# Altium PCB EMG.PcbDoc
Units mm, origin at the board's own origin, x right, y up, seen from the top; angles counter-clockwise.
Board outline 80 x 60 mm, 2 copper layers (Top Layer, Bottom Layer); 41 components, 27 nets, 146 pads, 27 vias.
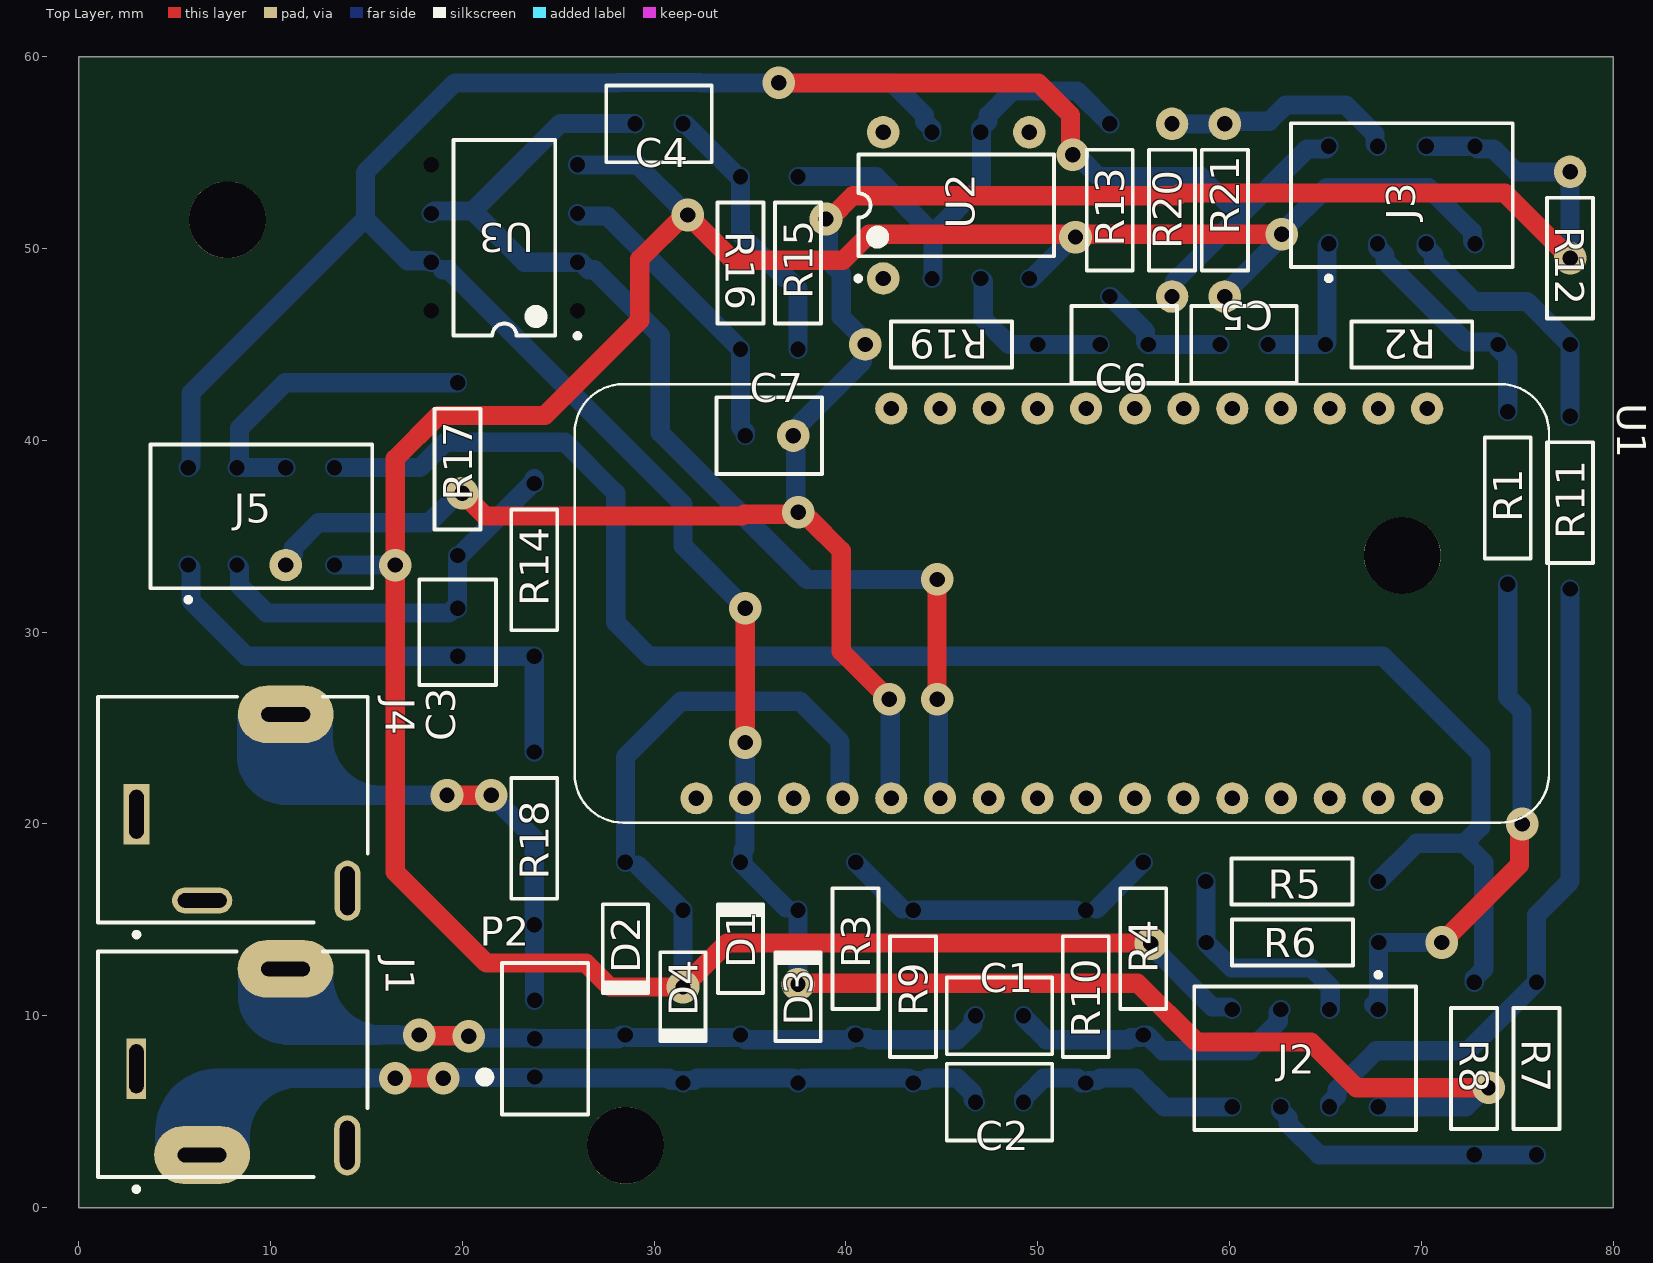
[diagram p0: Top Layer view]
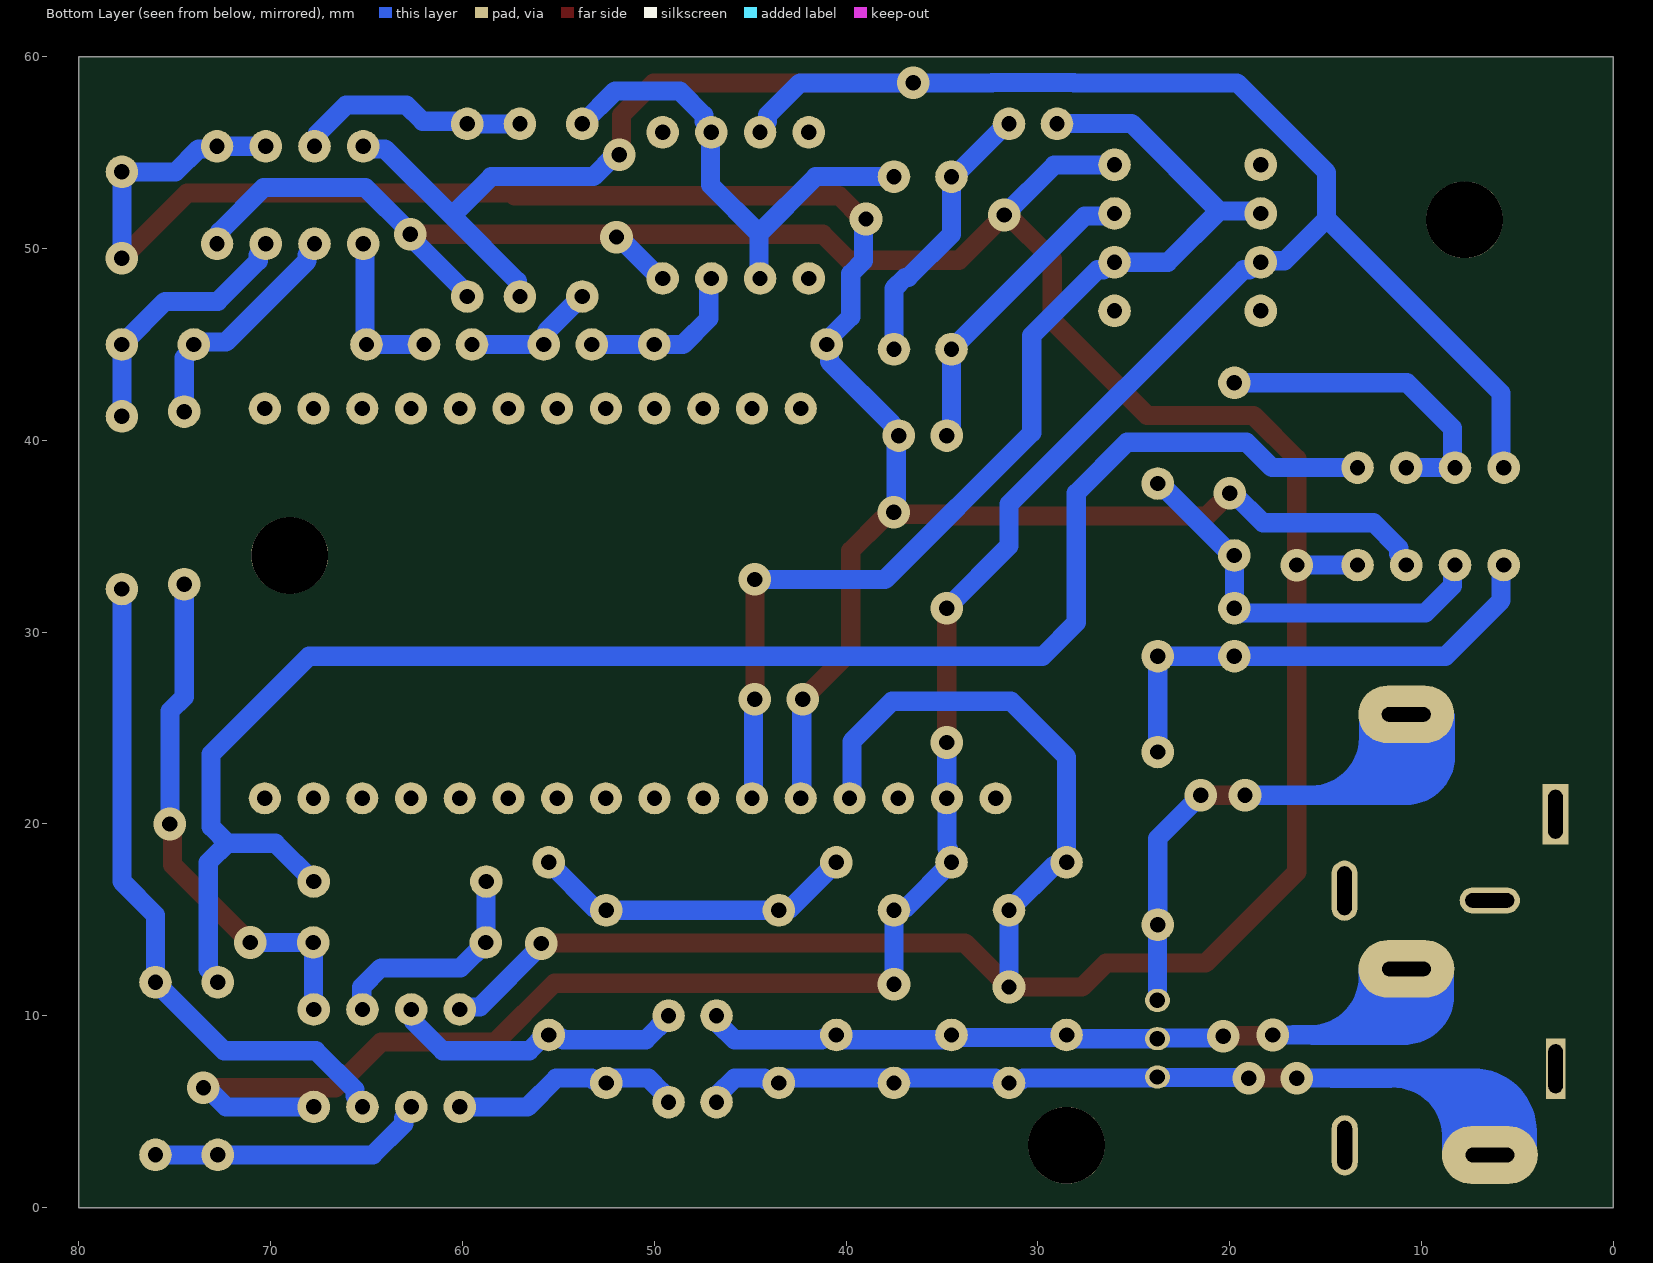
[diagram p1: Bottom Layer view, seen from below]

## Layer stack, top to bottom
Top Solder: solder mask 0.0102, Solder Resist, Dk 3.5
Top Layer: signal copper 0.0356
Dielectric 1: dielectric 0.32, FR-4, Dk 4.8
Bottom Layer: signal copper 0.0356
Bottom Solder: solder mask 0.0102, Solder Resist, Dk 3.5

## Board outline
0,0 0,60 80,60 80,0

## Design rules (kind name [scope] priority, off if disabled: settings)
Clearance [All] p1: gap=0.8 ignorepadtopadclearanceinfootprint=FALSE
HoleSize [All] p1: absolutevalues=TRUE maxlimit=2.54 minlimit=0.8 maxpercent=80.000 minpercent=20.000
PolygonConnect [All] p1: connectstyle=Relief reliefconductorwidth=0.254 reliefentries=4 polygonreliefangle="90 Angle" airgapwidth=0.254
RoutingVias [All] p1: holewidth=0.8 width=1.7 viastyle="Through Hole" minholewidth=0.8 minwidth=1.27 maxholewidth=2 maxwidth=1.7
SolderMaskExpansion [All] p1: expansion=0.102 istentingtop=FALSE
SupplyNets "Schematic Supply Nets" [InNet('GND')] p1: voltage=0.000
Width [All] p1: maxlimit=5 minlimit=1 preferedwidth=1
29 further rules are at their usual default settings.

## Components (designator, comment, footprint, x,y, rotation, side; value= is the part's Value field where it differs from the comment)
C1 "3.3U" FP-RCE3DB-MFG#1 48,10 r0 top
C2 "3.3U" FP-RCE3DB-MFG#1 48,5.5 r0 top
C3 "1n" FP-RCE3DB-MFG#1 19.75,30 r90 top
C4 "470n" FP-RCE3DB-MFG#1 30.25,56.5 r180 top
C5 "3.3U" FP-RCE3DB-MFG#1 60.75,45 r180 top
C6 "1U" FP-RCE3DB-MFG#1 54.5,45 r180 top
C7 "100n" FP-RCE3DB-MFG#2 36,40.25 r180 top
D1 "1N4001-T" DIOD-DO-41-P-2_V#1 34.5,13.5 r90 top
D2 "1N4001-T" DIOD-DO-41-P-2_V#1 28.5,13.5 r270 top
D3 "1N4001-T" DIOD-DO-41-P-2_V#2 37.5,11 r90 top
D4 "1N4001-T" DIOD-DO-41-P-2_V#1 31.5,11 r270 top
J1 "35RAPC3BH3" FP-35RAPC3BH3-MFG#1 6.24,7.479 r0 top
J2 "08-2511-10" FP-08-2511-10-MFG#1 63.94,7.79 r270 top
J3 "08-2511-10" FP-08-2511-10-MFG#1 68.98,52.79 r90 top
J4 "35RAPC3BH3" FP-35RAPC3BH3-MFG#2 6.25,20.75 r0 top
J5 "08-2511-10" FP-08-2511-10-MFG#2 9.52,36.04 r90 top
P2 "Solder" JST-B3B-PH-K-S-3_V 24.314,8.806 r90 top
R1 "25K" RESA60-630X240#1 74.5,37 r270 top
R2 "25K" RESA60-630X240#1 69.5,45 r0 top
R3 "5K" RESA60-630X240#1 40.5,13.5 r270 top
R4 "5K" RESA60-630X240#1 55.5,13.5 r270 top
R5 "250" RESA60-630X240#1 63.25,17 r0 top
R6 "25K" RESA60-630X240#1 63.275,13.825 r180 top
R7 "25K" RESA60-630X240#1 76,7.25 r270 top
R8 "250" RESA60-630X240#1 72.75,7.25 r270 top
R9 "5K" RESA60-630X240#1 43.5,11 r90 top
R10 "5K" RESA60-630X240#1 52.5,11 r90 top
R11 "25K" RESA60-630X240#1 77.75,36.75 r270 top
R12 "25K" RESA60-630X240#2 77.75,49.5 r270 top
R13 "1.5K" RESA60-630X240#1 53.75,52 r270 top
R14 "1K" RESA60-630X240#1 23.75,33.25 r270 top
R15 "1.5K" RESA60-630X240#1 37.5,49.25 r90 top
R16 "4.7K" RESA60-630X240#1 34.5,49.25 r90 top
R17 "1K" RESA60-630X240#1 19.75,38.5 r270 top
R18 "1M" RESA60-630X240#1 23.75,19.25 r270 top
R19 "6.8K" RESA60-630X240#3 45.5,45 r180 top
R20 "100K" RESA60-630X240#4 57,52 r270 top
R21 "100K" RESA60-630X240#4 59.75,52 r90 top
U1 "FEATHER_M0_BASIC_PROTO" MODULE_FEATHER_M0_BASIC_PROTO 51.25,31.5 r0 top
U2 "LM741CN/NOPB" P0008A#1 45.75,52.25 r90 top
U3 "LM741CN/NOPB" P0008A#2 22.19,50.56 r180 top

## Footprints (in the part's own frame and the unit in brackets; to place one, negate y for a bottom-side part, rotate by r counter-clockwise, add the part's x,y. Pads: shape width x height; smd on the part's side, far side on the other; paste and mask are expansions set on the pad)
DIOD-DO-41-P-2_V#1 [mm] "2-Leads, Axial Lead, Body 4.635x2.36mm, Pin Spacing 9mm"
  round 0 / inner rect 1.65x1.65 / far side round 1.7 hole 0.8: 1(-4.5,0)
  round 0 / inner round 1.65 / far side round 1.7 hole 0.8: 2(4.5,0)
  silkscreen extent -2.32,-1.18 2.32,1.18, body extent -4.93,-1.18 4.93,1.18, height 2.35
DIOD-DO-41-P-2_V#2 [mm] "2-Leads, Axial Lead, Body 4.635x2.36mm, Pin Spacing 9mm"
  round 0 / inner rect 1.65x1.65 / far side round 1.7 hole 0.8: 1(-4.5,0)
  round 0 / inner round 0 / far side round 1.7 hole 0.8: 2(4.5,0)
  silkscreen extent -2.32,-1.18 2.32,1.18, body extent -4.93,-1.18 4.93,1.18, height 2.35
FP-08-2511-10-MFG#1 [mm]
  round 0 / inner rect 1.39x1.39 / far side round 1.7 hole 0.8 paste-2539.97 mask+0: 1(-2.54,3.81)
  round 0 / inner round 1.39 / far side round 1.7 hole 0.8 paste-2539.97 mask+0: 2(-2.54,1.27) 3(-2.54,-1.27) 4(-2.54,-3.81) 5(2.54,-3.81) 6(2.54,-1.27) 7(2.54,1.27) 8(2.54,3.81)
  silkscreen extent -4.47,-5.78 3.75,5.78, body extent -3.85,-5.88 3.85,5.88, height 0.25
FP-08-2511-10-MFG#2 [mm]
  round 0 / inner rect 1.39x1.39 / far side round 1.7 hole 0.8 paste-2539.97 mask+0: 1(-2.54,3.81)
  round 0 / inner round 1.39 / far side round 1.7 hole 0.8 paste-2539.97 mask+0: 2(-2.54,1.27) 4(-2.54,-3.81) 5(2.54,-3.81) 6(2.54,-1.27) 7(2.54,1.27) 8(2.54,3.81)
  round 1.7 / inner rect 1.2x1.2 / far side round 1.7 hole 0.8 paste-2539.97 mask+0: 3(-2.54,-1.27)
  silkscreen extent -4.47,-5.78 3.75,5.78, body extent -3.85,-5.88 3.85,5.88, height 0.25
FP-35RAPC3BH3-MFG#1 [mm]
  rect 1x3.14 hole 2.54 slot 0.762 at 0 deg paste-2539.97 mask+0: 1(-3.238,-0.241)
  rrect100% 5x3 hole 2.54 slot 0.762 at 90 deg paste-2539.97 mask+0: 2(4.541,4.966) 5(0.187,-4.735)
  rrect100% 1.362x3.14 hole 2.54 slot 0.762 at 0 deg paste-2539.97 mask+0: 4(7.76,-4.229)
  silkscreen extent -5.25,-6.64 8.81,5.88, body extent -8.91,-5.98 8.91,5.98, height 0.25
FP-35RAPC3BH3-MFG#2 [mm]
  rect 1.362x3.14 hole 2.54 slot 0.762 at 0 deg paste-2539.97 mask+0: 1(-3.238,-0.241)
  rrect100% 5x3 hole 2.54 slot 0.762 at 90 deg paste-2539.97 mask+0: 2(4.541,4.966)
  rrect100% 1.362x3.14 hole 2.54 slot 0.762 at 0 deg paste-2539.97 mask+0: 4(7.76,-4.229)
  rrect100% 3.14x1.362 hole 2.54 slot 0.762 at 90 deg paste-2539.97 mask+0: 5(0.187,-4.735)
  silkscreen extent -5.25,-6.64 8.81,5.88, body extent -8.91,-5.98 8.91,5.98, height 0.25
FP-RCE3DB-MFG#1 [mm]
  round 0 / inner rect 1.2x1.2 / far side round 1.7 hole 0.8 paste-2539.97 mask+0: 1(-1.25,0)
  round 0 / inner round 1.2 / far side round 1.7 hole 0.8 paste-2539.97 mask+0: 2(1.25,0)
  silkscreen extent -2.75,-2 2.75,2, body extent -2.85,-2.1 2.85,2.1, height 0.25
FP-RCE3DB-MFG#2 [mm]
  round 1.7 / inner rect 1.2x1.2 / far side round 1.7 hole 0.8 paste-2539.97 mask+0: 1(-1.25,0)
  round 0 / inner round 1.2 / far side round 1.7 hole 0.8 paste-2539.97 mask+0: 2(1.25,0)
  silkscreen extent -2.75,-2 2.75,2, body extent -2.85,-2.1 2.85,2.1, height 0.25
JST-B3B-PH-K-S-3_V [mm] "Connector, 3-Leads, Body 7.9x4.5mm, Pitch 2mm"
  round 0 / inner oval 1.2x1.3 / far side oval 1.2x1.3 hole 0.8: 1(-2,0.55) 2(0,0.55) 3(2,0.55)
  silkscreen extent -3.95,-2.25 3.95,3.4, body extent -3.95,-2.25 3.95,2.25, height 6
MODULE_FEATHER_M0_BASIC_PROTO [mil]
  round 66 / inner round 60.24 / far side round 66 hole 31.5: P1_1(750,-400) P1_2(650,-400) P1_3(550,-400) P1_4(450,-400) P1_5(350,-400) P1_6(250,-400) P1_7(150,-400) P1_8(50,-400) P1_9(-50,-400) P1_10(-150,-400) P1_11(-250,-400) P1_12(-350,-400) P1_13(-450,-400) P1_14(-550,-400) P1_15(-650,-400) P1_16(-750,-400) P2_1(-350,400) P2_2(-250,400) P2_3(-150,400) P2_4(-50,400) P2_5(50,400) P2_6(150,400) P2_7(250,400) P2_8(350,400) P2_9(450,400) P2_10(550,400) P2_11(650,400) P2_12(750,400)
  silkscreen extent -1000,-450 1000,450
P0008A#1 [mm] "DIP, 8-Leads, Body 10.15x6.6mm, Pitch 2.54mm"
  round 1.7 / inner rect 1.5x1.5 / far side round 1.7 hole 0.8: 1(-3.81,3.81)
  round 0 / inner round 1.5 / far side round 1.7 hole 0.8: 2(-3.81,1.27) 3(-3.81,-1.27) 4(-3.81,-3.81) 6(3.81,-1.27) 7(3.81,1.27)
  round 1.7 / inner round 1.5 / far side round 1.7 hole 0.8: 5(3.81,-3.81) 8(3.81,3.81)
  silkscreen extent -3.93,-5.1 2.65,5.23, body extent -3.95,-5.07 3.95,5.07, height 5.08
P0008A#2 [mm] "DIP, 8-Leads, Body 10.15x6.6mm, Pitch 2.54mm"
  round 0 / inner rect 1.5x1.5 / far side round 1.7 hole 0.8: 1(-3.81,3.81)
  round 0 / inner round 1.5 / far side round 1.7 hole 0.8: 2(-3.81,1.27) 3(-3.81,-1.27) 4(-3.81,-3.81) 5(3.81,-3.81) 6(3.81,-1.27) 7(3.81,1.27) 8(3.81,3.81)
  silkscreen extent -3.94,-5.1 2.65,5.23, body extent -3.95,-5.07 3.95,5.07, height 5.08
RESA60-630X240#1 [mm] "Axial Resistor, 2-Leads, Dia 2.4mm, Body Length 6.3mm"
  round 0 / inner rect 1.35x1.35 / far side round 1.7 hole 0.8: 1(-4.5,0)
  round 0 / inner round 1.35 / far side round 1.7 hole 0.8: 2(4.5,0)
  silkscreen extent -3.15,-1.2 3.15,1.2, body extent -3.15,-1.2 3.15,1.2, height 2.4
RESA60-630X240#2 [mm] "Axial Resistor, 2-Leads, Dia 2.4mm, Body Length 6.3mm"
  round 1.7 / inner rect 1.35x1.35 / far side round 1.7 hole 0.8: 1(-4.5,0)
  round 0 / inner round 1.35 / far side round 1.7 hole 0.8: 2(4.5,0)
  silkscreen extent -3.15,-1.2 3.15,1.2, body extent -3.15,-1.2 3.15,1.2, height 2.4
RESA60-630X240#3 [mm] "Axial Resistor, 2-Leads, Dia 2.4mm, Body Length 6.3mm"
  round 0 / inner rect 1.35x1.35 / far side round 1.7 hole 0.8: 1(-4.5,0)
  round 1.7 / inner round 1.35 / far side round 1.7 hole 0.8: 2(4.5,0)
  silkscreen extent -3.15,-1.2 3.15,1.2, body extent -3.15,-1.2 3.15,1.2, height 2.4
RESA60-630X240#4 [mm] "Axial Resistor, 2-Leads, Dia 2.4mm, Body Length 6.3mm"
  round 1.7 hole 0.8: 1(-4.5,0) 2(4.5,0)
  silkscreen extent -3.15,-1.2 3.15,1.2, body extent -3.15,-1.2 3.15,1.2, height 2.4

## Part data
C1 C2 C3 C4 C5 C6 C7: library part CMP-06035-005830-1, "Cap Ceramic 10uF 25V X7R ±10% Radial 2.5mm +125°C Automotive Ammo Pack", Capacitance=10uF, Case/Package=Radial, Dielectric=X7R, Max Operating Temperature=125°C, Min Operating Temperature=-55°C, Package Quantity=1500, Ratings=AEC-Q200, Resistor Type=Ceramic, Tolerance=10%, Voltage Rating=25V, Height=5mm, Height - Seated (Max)=0.197inch, Lead Diameter=0.5mm, Lead Pitch=0.098inch, Lead/Base Style=Straight, Length=0.217inch, Mount="Through Hole", Packaging="Tape and Reel", Termination=Radial, Voltage Rating (DC)=25V, Width=0.157inch
D1 D2 D3 D4: library part CMP-0639-00006-2, "1.0 A Rectifier, 15 pF, 50 V, -65 to 150 degC, 2-Pin DO-41 Plastic, RoHS, Tape and Reel", manufacturer="Diodes Inc", Max. Average Rectified Current IO (A)=1, Operating Temperature Range (degC)="-65 to 150", componentlink1description="Manufacturer URL", componentlink1url=http://diodes.com/, componentlink2description=Datasheet, componentlink2url=http://diodes.com/datasheets/ds28002.pdf, CT (pF)=15, DatasheetVersion="Rev. 8-2", Max. IFSM (A)=30, Max. IR (uA)=5, Mounting Technology="Through Hole", PackageDescription="2-Pin Axial Lead, Body 4.635 x 2.36 mm, Lead Spread 25.4 mm", PackageReference=DO-41-P-2, Packing="Tape and Reel", PartNumber=1N4001-T, RoHS=TRUE, VF (V)=1, VRRM (V)=50
J1 J4: library part CMP-47983-000003-1, "CONN JACK STEREO 3.5MM R/A", Body Color=Black, Package Quantity=1, Voltage Rating=500V, Body Material=Brass, Color=Black, Contact Material="Copper Alloy", Contact Plating=Silver, Gender=Female, Housing Material=PBT, Lead Free="Lead Free", Mount="Through Hole", Number of Ports=1, Number of Positions=3, Number of Terminals/Pins=3, Orientation="Right Angle", Packaging=Bulk, RoHS Compliant=Yes, Series=35, Shielding=Unshielded, Termination=Solder
J2 J3 J5: library part CMP-40957-000003-1, "CONN IC DIP SOCKET 8POS TIN", Current Rating=1A, manufacturer="Aries Electronics", Package=0, Socket Package=DIP8, Temperature="-55°C to +105°C", Temperature Range High=+105°C, Temperature Range Low=-55°C, Automotive=No, Category=Conn, componentlink2description=Datasheet, componentlink2url=https://www.arieselec.com/products/data/12004-dip-test-socket.pdf, Conn Gender=Female, Conn Orientation=Vertical, Contact Material=Tin, Device Class L1=Connectors, Device Class L2="IC and Component Sockets", Device Class L3=unset, Digikey Description="CONN IC DIP SOCKET 8POS TIN", Height=7.75mm, Is Female=yes, Lead Free=Yes, Manufacturer Part Number=08-2511-10, Number Of Contacts=8, Number Of Rows=2, Octopart=https://octopart.com/08-2511-10-aries-767661, Pitch=2.54mm, RoHS=TRUE, Standoff Height=0.51mm
P2: library part CMP-2000-05164-1, "Male Header, Pitch 2 mm, 1 x 3 Position, Height 6 mm, Tail Length 3.4 mm, -25 to 85 degC, RoHS, Bulk", manufacturer=JST, Datasheet URL=https://datasheet.ciiva.com/11746/0900766b80826550-11746939.pdf, Datasheet Version=Oct-06, Manufacturer URL=http://www.jst.com/home2.html, No of Positions=3, Pitch=2mm, Style/Orientation=StraightHeader/Plug, Termination=Crimp, Type=ShroudedHeader
R1 R2 R3 R4 R5 R6 R7 R8 R9 R10 R11 R12 R13 R14 R15 R16 R17 R18 R19 R20 R21: library part CMP-1659-00075-1, "Axial Resistor, 1 KOhm, +/- 1%, 250 mW, -55 to 155 degC, 2-Pin THD, RoHS, Bulk", Case\Package=Axial, Max Operating Temperature="155 degC", Min Operating Temperature="-55 degC", Package Quantity=200, Power Rating="250 mW", Resistance="10 kohm", Tolerance=1%, Voltage Rating="250 V", componentlink1description="Manufacturer URL", componentlink1url=http://www.yageo.com/, componentlink2description=Datasheet, componentlink2url=http://www.yageo.com/documents/recent/Yageo%20LR_MFR_2013.pdf, DatasheetVersion=Apr-13, Length="0.248 inch", PackageDescription="2-Pin Axial Lead, Dia 2.4 mm, Body Length 6.3 mm", PackageReference=MFR-25, Packaging=Bulk, RoHSCompliant=true
U1: library part CMP-003-000000-1, "ATSAMD21G18 Feather M0 Basic Proto series ARM® Cortex®-M0+ MCU 32-Bit Embedded Evaluation Board", Package=None, Availability="Not in stock", Check_prices=https://www.snapeda.com/parts/Feather%20M0%20Basic%20Proto/Adafruit+Industries/view-part/?ref=eda, Component Type=Standard, Design Item ID=FEATHER_M0_BASIC_PROTO, MF="Adafruit Industries", MP="Feather M0 Basic Proto", Pin Count=28, Price=None, SnapEDA_Link=https://www.snapeda.com/parts/Feather%20M0%20Basic%20Proto/Adafruit+Industries/view-part/?ref=snap, Source=FEATHER_M0_BASIC_PROTO.SchLib
U2 U3: library part CMP-0055-00162-3, "Operational Amplifier, 8-pin MDIP, Pb-Free", manufacturer="Texas Instruments", Package Reference=P0008A, PackageTopMarking=NSUZXYTTE#*LM*741CN, PowerWise=N, Code_JEDEC=MS-001-BA, componentlink1description="Datasheet URL", componentlink1url=http://www.ti.com/general/docs/lit/getliterature.tsp?genericPartNumber=LM741&fileType=pdf, CompType=Amplifiers, PackageDescription="MDIP, .365 x .250 x .130in, 8 Lead, .100in Pitch", PinCount=8, RoHS=Y

## Free pads (board coordinates)
  round 4 hole 4: 2(7.75,51.5) 2(28.5,3.25) 2(69,34)

## Via types
v1: diameter 1.7, hole 0.8, Top Layer to Bottom Layer, 27 vias

## Nets (pads, with @x,y where several pads share a name; then routed paths per layer and width w, separated by ;. In a path a pad name is that pad's centre, name@x,y a point inside that pad or via, vN(x,y) a via of type N, cw(c..) or ccw(c..) an arc to the next point about the centre after c; other vN are vias at no path point)
3.3V: D1.2 D3.2 J2.8 J3.8 J5.8 R20.2 U1.P1_15 U2.7 U3.7 | length 185.7
  Top Layer w1: v1(34.75,24.25) v1(34.75,31.25) ; v1(36.488,58.638) 50.022,58.638 51.71,56.951 51.71,55.019 v1(51.829,54.9) ; v1(37.5,11.65) 37.55,11.7 55.204,11.7 58.274,8.63 64.234,8.63 66.614,6.25 v1(73.5,6.25)
  Bottom Layer w1: J5.8 5.844,38.714 5.844,42.458 14.943,51.557 ; U3.7 18.303,49.367 17.133,49.367 14.943,51.557 ; U3.7@18.959,48.9 19.271,48.9 31.5,36.671 31.5,34.5 v1(34.75,31.25) ; v1(34.75,24.25) 34.745,24.245 34.745,21.345 U1.P1_15 34.74,18.735 34.634,18.629 34.634,18.134 D1.2 D3.2@36.866,15.634 ; v1(37.5,11.65) D3.2 ; U2.7 44.48,56.249 44.09,56.639 44.09,56.951 42.402,58.638 v1(36.488,58.638) 32.402,58.638 32.391,58.65 28.109,58.65 28.098,58.638 19.608,58.638 14.943,53.974 14.943,51.557 ; v1(51.829,54.9) 52.018,54.9 53.168,53.75 58.5,53.75 60.544,51.706 ; R20.2 57.134,47.634 57.134,48.295 60.544,51.706 ; J3.8 65.036,55.196 64.035,55.196 60.544,51.706 ; J2.8 72.311,5.25 73.311,6.25 v1(73.5,6.25)
"DRL In": J5.5 R5.2 R8.1 | length 89.2
  Bottom Layer w1: J5.5 17.795,38.58 19.115,39.9 25.35,39.9 28,37.25 28,30.5 29.75,28.75 68,28.75 73.1,23.65 73.1,19.85 72.25,19 ; R5.2 69.75,19 72.25,19 ; R8.1 72.75,11.939 73.25,12.439 73.25,18 72.25,19
GND: D2.1 D4.1 J2.4 J3.4 J5.4 R21.1 U1.P1_13 U2.4 U3.4 | length 184.5
  Top Layer w1: v1(55.884,13.771) 55.855,13.8 33.8,13.8 v1(31.5,11.5) 27.688,11.5 26.438,12.75 21.25,12.75 16.5,17.5 16.5,39.041 18.759,41.3 24.3,41.3 29.25,46.25 29.25,49.439 31.561,51.75 v1(31.75,51.75) 34.109,49.391 39.85,49.391 41.209,50.75 v1(62.721,50.75)
  Bottom Layer w1: J5.4 v1(16.5,33.5) ; U3.4 26.02,54.35 29.15,54.35 v1(31.75,51.75) ; D2.1 28.5,23.5 31.4,26.4 37.6,26.4 39.691,24.309 39.691,21.469 U1.P1_13 ; D2.1@29.134,17.866 D4.1 v1(31.5,11.5) ; U2.4 49.682,48.44 51.842,50.6 v1(51.965,50.6) ; v1(55.884,13.771) 55.884,13.676 59.096,10.464 59.996,10.464 J2.4 ; R21.1 59.75,47.64 62.75,50.64 62.75,50.871 65.059,53.18 66.819,53.18 70.361,53.18 72.656,50.884 72.656,50.384 J3.4
NetC4_1: C4.1 R15.1 R16.2 | length 14.5
  Bottom Layer w1: C4.1 31.625,56.5 34.375,53.75 R16.2 34.5,50.75 36.75,48.5 36.914,48.5 37.5,47.914 R15.1
NetC5_2: C5.2 C6.1 R13.2 | length 7.1
  Bottom Layer w1: R13.2 53.791,47.5 55.616,45.674 55.616,45.134 C6.1 C5.2
NetC6_2: C6.2 R19.1 U2.3 | length 8.8
  Bottom Layer w1: U2.3 47.154,48.306 47.154,46.346 48.5,45 R19.1 C6.2
NetC7_2: C7.2 R16.1 U3.3 | length 16
  Bottom Layer w1: U3.3 26.134,51.696 27.554,51.696 R16.1 34.5,40.689 34.75,40.439 C7.2
NetR3_1: R3.1 R4.1 R9.2 R10.2 | length 15.4
  Bottom Layer w1: R3.1 R9.2@42.933,15.567 ; R9.2 R10.2@52,15.5 ; R10.2@53.067,15.567 R4.1
NetR13_1: R13.1 R15.2 U2.2 U2.6 | length 25.6
  Bottom Layer w1: R15.2 41.58,53.75 44.54,50.79 ; U2.2 44.54,48.5 44.54,50.79 ; R13.1 52.04,58.21 48.669,58.21 47.41,56.951 47.41,56.639 47.02,56.249 U2.6 47.072,56.008 47.072,53.322 44.54,50.79
"Out 1": C5.1 J3.1 R2.1 | length 8.3
  Bottom Layer w1: C5.1 R2.1 65.085,45.085 65.085,50.165 J3.1
"Out 2": C4.2 U1.P1_11 U3.2 U3.6 | length 59.2
  Top Layer w1: v1(44.75,26.5) v1(44.75,32.75)
  Bottom Layer w1: U3.6 18.514,51.964 20.553,51.964 ; C4.2 28.98,56.52 25.109,56.52 20.553,51.964 ; v1(44.75,26.5) 44.825,26.425 44.825,21.415 U1.P1_11 ; v1(44.75,32.75) 37.966,32.75 30.32,40.396 30.32,45.47 26.891,48.9 26.579,48.9 26.189,49.29 U3.2 23.227,49.29 20.553,51.964
"Pin 1_1": J2.1 R1.2 R6.1 | length 27.9
  Top Layer w1: v1(71.065,13.822) 75.116,17.873 75.116,19.866 v1(75.25,20)
  Bottom Layer w1: J2.1@67.5,10.58 J2.1 67.762,10.343 67.762,13.812 R6.1 67.777,13.823 v1(71.065,13.822) v1(71.065,13.822) ; R1.2 74.5,26.625 75.25,25.875 v1(75.25,20)
"Pin 1_2": J2.2 R5.1 R6.2 | length 11.8
  Bottom Layer w1: R5.1 58.763,16.988 58.763,13.838 R6.2 ; R6.2@58.772,13.822 60.095,12.5 64.25,12.5 65.25,11.5 65.25,10.37 J2.2
"Pin 1_6": J2.6 R7.2 R8.2 | length 14.7
  Bottom Layer w1: J2.6 62.67,5.061 63.06,4.671 63.06,4.359 64.669,2.75 R8.2 R7.2
"Pin 1_7": J2.7 R7.1 R11.2 | length 35
  Bottom Layer w1: J2.7 65.21,5.439 65.6,5.829 65.6,6.141 67.639,8.18 72.43,8.18 R7.1 76,15.25 77.75,17 R11.2
"Pin 2_2": J3.2 R1.1 R2.2 | length 12.5
  Bottom Layer w1: J3.2 67.71,50.061 68.1,49.671 68.1,49.354 72.32,45.134 73.866,45.134 R2.2 74,44.811 74.5,44.311 R1.1
"Pin 2_3": J3.3 R11.1 R12.2 | length 13.7
  Bottom Layer w1: J3.3 70.25,50.061 70.64,49.671 70.64,49.359 72.753,47.247 75.503,47.247 R12.2 R11.1
"Pin 3_1": C3.1 J5.1 R14.2 R18.1 | length 26
  Bottom Layer w1: J5.1 5.844,33.366 5.844,31.656 8.75,28.75 C3.1 R14.2 R18.1
"Pin 3_2": C3.2 J5.2 R14.1 R17.2 | length 21.6
  Bottom Layer w1: J5.2 8.384,33.366 8.384,32.416 9.8,31 19.311,31 C3.2@19.561,31.25 ; C3.2 R17.2 19.875,34 23.625,37.75 R14.1 R14.1@23.75,38
"Pin 3_6": J5.6 J5.7 R17.1 | length 17
  Bottom Layer w1: J5.6 J5.7 8.384,38.714 8.384,40.634 10.75,43 R17.1
"Signal 1": C1.1 D1.1 D2.2 J1.2 P2.2 R3.2 | length 32.9
  Top Layer w1: v1(17.75,9) 17.786,8.964 20.233,8.964 20.297,8.9 v1(20.325,8.928)
  Bottom Layer w1: 15.115,9 v1(17.75,9) ; v1(20.325,8.928) 20.409,8.844 23.726,8.844 P2.2 28.117,8.806 28.311,9 D2.2 28.624,8.876 34.376,8.876 D1.1 34.75,8.75 40.155,8.75 40.405,9 R3.2 40.634,8.866 41.129,8.866 41.245,8.75 45.814,8.75 46.616,9.552 46.616,9.866 C1.1
"Signal 2": C2.1 D3.1 D4.2 J1.5 P2.1 R9.1 | length 36.8
  Top Layer w1: v1(16.5,6.75) v1(19,6.75)
  Bottom Layer w1: 11.322,6.75 v1(16.5,6.75) ; v1(19,6.75) 19.028,6.778 23.736,6.778 P2.1 ; P2.1@23.764,6.75 30.755,6.75 30.871,6.634 31.366,6.634 D4.2 31.624,6.624 32.084,6.624 32.21,6.75 37.25,6.75 D3.1 37.75,6.75 43.25,6.75 R9.1 43.634,6.634 44.129,6.634 44.245,6.75 45.814,6.75 46.616,5.948 46.616,5.634 C2.1
"Signal +": C1.2 J2.3 R4.2 | length 15.4
  Bottom Layer w1: C1.2 49.25,9.936 50.436,8.75 54.755,8.75 54.871,8.866 55.366,8.866 R4.2 ; R4.2@55.689,9 56.509,8.18 61.021,8.18 62.536,9.696 62.536,10.196 J2.3
"Signal -": C2.2 J2.5 R10.1 | length 12.1
  Bottom Layer w1: C2.2 49.25,5.689 49.6,6.039 49.6,6.048 50.302,6.75 52.061,6.75 52.25,6.561 R10.1@52.25,6.5 ; R10.1 52.634,6.634 53.129,6.634 53.245,6.75 55.108,6.75 56.608,5.25 J2.5
"Signal DRL": J4.2 P2.3 R18.2 | length 21.9
  Top Layer w1: v1(19.2,21.5) v1(21.5,21.5)
  Bottom Layer w1: 11.75,21.5 v1(19.2,21.5) ; J4.2@12.041,25.716 J4.2@12.534,25.716 ; v1(21.5,21.5) 23.75,19.25 R18.2 23.757,14.743 23.757,10.813 P2.3
V1: J3.7 R20.1 R21.2 | length 12.3
  Bottom Layer w1: R20.1 R21.2 59.884,56.634 62.073,56.634 62.919,57.48 66.061,57.48 67.576,55.964 67.576,55.464 J3.7
VRef: C7.1 J3.5 J3.6 J5.3 R12.1 R19.2 U1.P1_12 | length 117.3
  Top Layer w1: v1(20,37.25) 21.2,36.05 23.046,36.05 34.595,36.05 34.691,36.145 37.395,36.145 v1(37.503,36.253) 37.693,36.253 38.043,35.903 38.097,35.903 39.75,34.25 39.75,29 v1(42.25,26.5) ; v1(38.959,51.541) 39.149,51.541 40.358,52.75 57.279,52.75 57.429,52.9 74.35,52.9 v1(77.75,49.5)
  Bottom Layer w1: J5.3 10.79,33.689 11.18,34.079 11.18,34.391 12.491,35.702 18.262,35.702 19.811,37.25 v1(20,37.25) ; v1(37.503,36.253) 37.377,36.38 37.377,40.313 37.25,40.439 37.6,40.789 37.6,40.85 40.866,44.116 40.866,44.866 R19.2 41,45.189 39.75,46.439 39.75,48.691 39.093,49.347 39.093,51.407 v1(38.959,51.541) ; v1(42.25,26.5) 42.305,26.445 42.305,21.395 U1.P1_12 ; J3.6 J3.5 72.924,55.196 73.752,55.196 74.948,54 R12.1 v1(77.75,49.5)
pads on no net: J1.1 J1.4 J4.1 J4.4 J4.5 U1.P1_1 U1.P1_2 U1.P1_3 U1.P1_4 U1.P1_5 U1.P1_6 U1.P1_7 U1.P1_8 U1.P1_9 U1.P1_10 U1.P1_14 U1.P1_16 U1.P2_1 U1.P2_2 U1.P2_3 U1.P2_4 U1.P2_5 U1.P2_6 U1.P2_7 U1.P2_8 U1.P2_9 U1.P2_10 U1.P2_11 U1.P2_12 U2.1 U2.5 U2.8 U3.1 U3.5 U3.8

## Other copper
Bottom Layer:
  region net "Signal 1": 8.307,12.505 8.307,11.045 ccw(c10.847,11.045) 10.847,8.505 13.307,8.505
  region net "Signal 1": 13.266,12.501 13.266,12.041 ccw(c15.806,12.041) 15.806,9.501 16.766,9.501 cw(c15.766,9.501) 15.766,8.501 10.681,8.501 10.681,8.586 ccw(c8.516,8.586) 8.516,10.751 8.516,12.251 ccw(c8.266,12.251) 8.266,12.501
  region net "Signal 2": 8.915,2.75 8.915,3.81 cw(c11.448,3.717) 11.54,6.25 14.75,6.25 14.75,7.25 7.25,7.25 ccw(c7.25,4) 4,4 4,2.75
  region net "Signal DRL": 8.25,25.75 8.25,23.54 ccw(c10.79,23.54) 10.79,21 15.75,21 15.75,22 cw(c15.75,24.5) 13.25,24.5 13.25,25.75

## Silkscreen, mask and mechanical layers (free items; w line width, h text height)
Mechanical 1:
  lines w0.254: -0.252,63.996 -0.248,64.504 ; 1.271,63.733 -0.25,64.25 ; 1.277,64.749 -0.25,64.25 ; 31.976,64.05 -0.25,64.25 ; 48.024,63.95 80.25,63.75 ; 78.723,63.251 80.25,63.75 ; 78.729,64.267 80.25,63.75 ; 80.248,63.496 80.252,64.004 ; 82.992,1.524 83.5,0 ; 82.992,58.976 83.5,60.5 ; 83.246,0 83.754,0 ; 83.246,60.5 83.754,60.5 ; 83.5,23.75 83.5,0 ; 83.5,36.75 83.5,60.5 ; 84.008,1.524 83.5,0 ; 84.008,58.976 83.5,60.5
  lines w0.4: 0,0 0,60.25 80.25,60.25 80.25,0 0,0
  text "80.502 (mm)" at 32.225,63.134 h1.52 r359.64
  text "60.5 (mm)" at 84.414,24.004 h1.52 r90